# KiCad board RoRo80.kicad_pcb (continued)
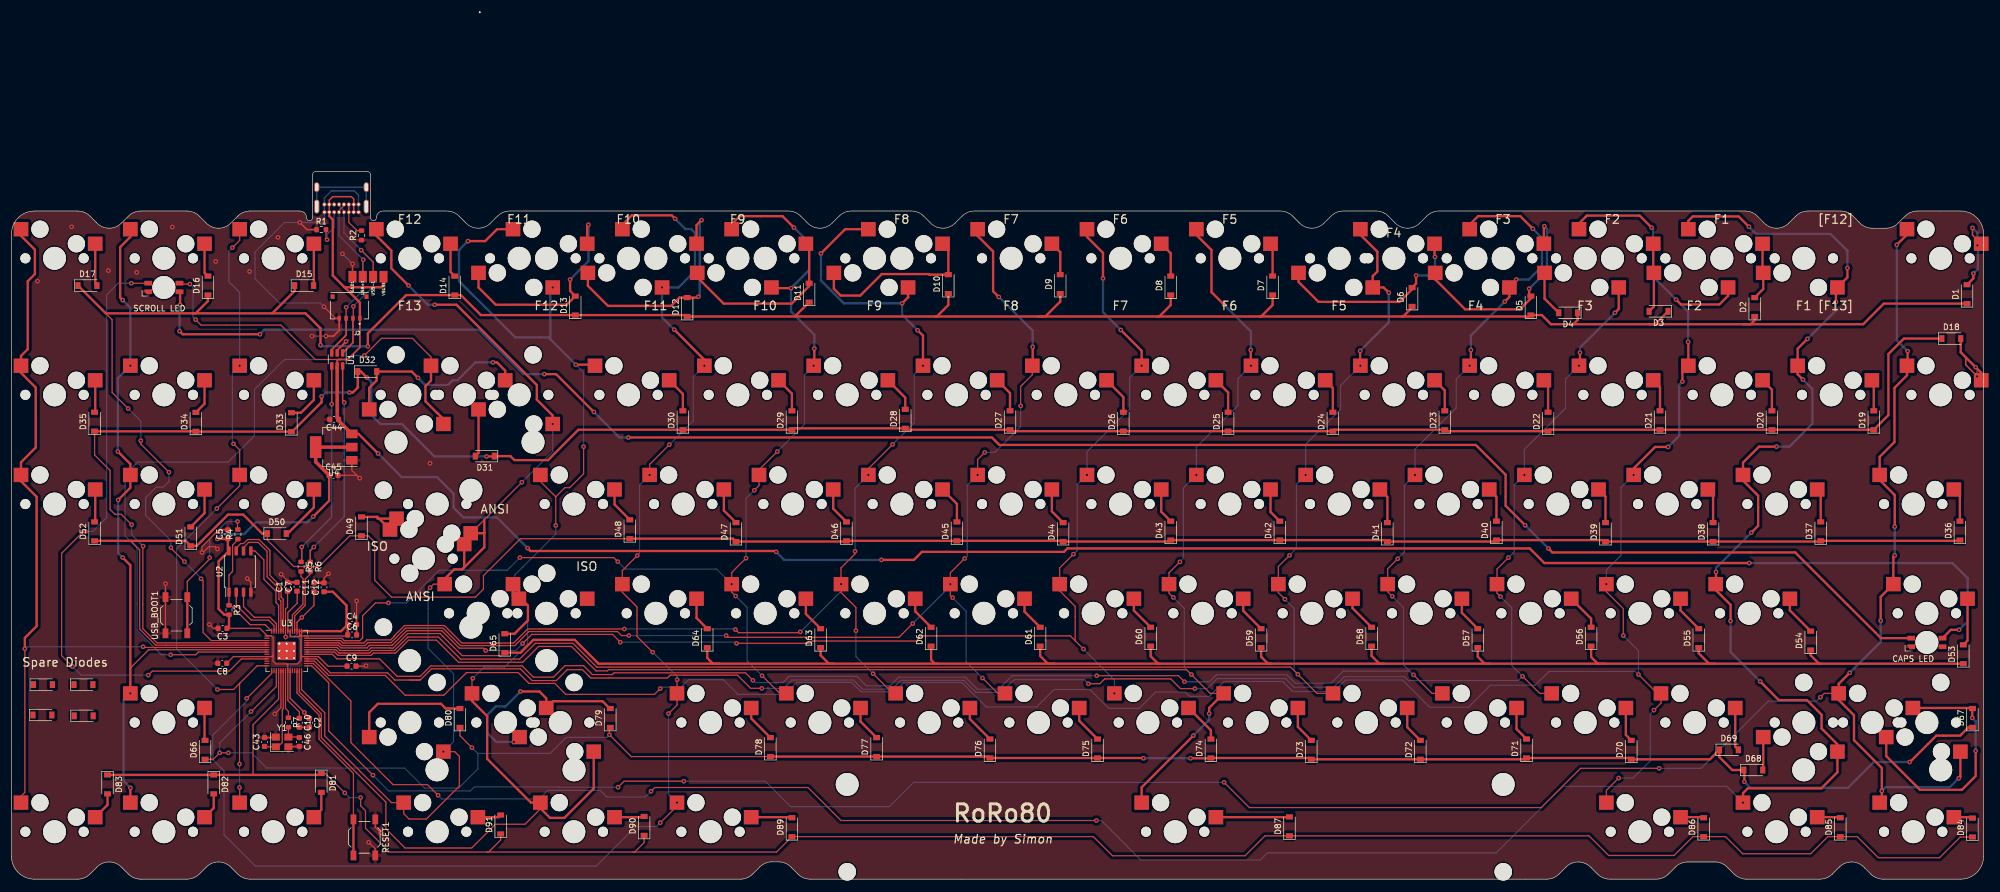
[diagram p0: board, top side]
## Nets
+1V1: C1.1 C2.1 C11.1 U3.23 U3.45 U3.50
+3V3: C3.1 C4.1 C5.1 C6.1 C7.1 C8.1 C9.1 C10.1 C12.1 C45.1 R3.2 U2.8 U3.1 U3.10 U3.22 U3.33 U3.42 U3.43 U3.44 U3.48 U3.49 U4.2
GND: C1.2 C2.2 C3.2 C4.2 C5.2 C6.2 C7.2 C8.2 C9.2 C10.2 C11.2 C12.2 C43.2 C44.2 C45.2 C46.2 J1.A1 J1.A12 J1.B1 J1.B12 J2.4 LED1.4 LED2.4 R1.1 R2.1 RESET1.1 U1.2 U2.4 U3.19 U3.57 U4.1 USB_BOOT1.1 Y1.2 Y1.4
VBUS: C44.1 J1.A4 J1.A9 J1.B4 J1.B9 J2.1 LED1.1 LED2.1 U1.5 U4.3
/QSPICLK: U2.6 U3.52
/QSPISD0: U2.5 U3.53
/QSPISD2: U2.3 U3.54
/QSPISD3: U2.7 U3.51
/QSPISS: R3.1 R4.1 U2.1 U3.56
/RESET: RESET1.2 U3.26
/SQPISD1: U2.2 U3.55
/SWCLK: U3.24
/SWD: U3.25
/USB+: J1.A6 J1.B6 J2.3 U1.3
/USB-: J1.A7 J1.B7 J2.2 U1.1
/XIN: C43.1 U3.20 Y1.1
/XOUT: R7.1 U3.21
CAPS_LED: LED2.3 U3.11
COL0: MX1.2 MX18.2 MX38.2 MX55.2 MX71.2 MX72.2 MX98.2 U3.29
COL1: MX2.2 MX2#2.2 MX19.2 MX39.2 MX58.2 MX73.2 MX99.2 U3.30
COL2: MX3.2 MX3#2.2 MX20.2 MX40.2 MX59.2 MX74.2 MX100.2 U3.31
COL3: MX4.2 MX21.2 MX41.2 MX60.2 MX75.2 U3.32
COL4: MX5.2 MX5#2.2 MX22.2 MX42.2 MX61.2 MX76.2 U3.34
COL5: MX6.2 MX6#2.2 MX23.2 MX43.2 MX62.2 MX77.2 U3.36
COL6: MX7.2 MX24.2 MX44.2 MX63.2 MX78.2 MX101.2 U3.35
COL7: MX8.2 MX25.2 MX45.2 MX64.2 MX79.2 U3.38
COL8: MX9.2 MX26.2 MX46.2 MX65.2 MX80.2 U3.39
COL9: MX10.2 MX10#2.2 MX27.2 MX47.2 MX66.2 MX81.2 U3.40
COL10: MX11.2 MX11#2.2 MX28.2 MX48.2 MX67.2 MX82.2 U3.41
COL11: MX12.2 MX12#2.2 MX29.2 MX49.2 MX68.2 MX83.2 MX102.2 U3.15
COL12: MX13.2 MX13#2.2 MX30.2 MX50.2 MX84.2 MX86.2 MX103.2 U3.27
COL13: MX14.2 MX31.2 MX51.2 MX56.1 MX69.2 MX85.2 MX104.2 U3.28
COL14: MX32.2 MX33.2 U3.8
COL15: MX15.2 MX34.2 MX52.2 MX87.2 U3.14
COL16: MX16.2 MX35.2 MX53.2 MX70.2 MX88.2 U3.7
COL17: MX17.2 MX36.2 MX54.2 MX89.2 U3.6
Data+: R5.1 U1.4
Data-: R6.1 U1.6
ROW0: D1.1 D2.1 D3.1 D4.1 D5.1 D6.1 D7.1 D8.1 D9.1 D10.1 D11.1 D12.1 D13.1 D14.1 D15.1 D16.1 D17.1 U3.3
ROW1: D18.1 D19.1 D20.1 D21.1 D22.1 D23.1 D24.1 D25.1 D26.1 D27.1 D28.1 D29.1 D30.1 D31.1 D32.1 D33.1 D34.1 D35.1 U3.4
ROW2: D36.1 D37.1 D38.1 D39.1 D40.1 D41.1 D42.1 D43.1 D44.1 D45.1 D46.1 D47.1 D48.1 D49.1 D50.1 D51.1 D52.1 U3.5
ROW3: D53.1 D54.1 D55.1 D56.1 D57.1 D58.1 D59.1 D60.1 D61.1 D62.1 D63.1 D64.1 D65.1 U3.37
ROW4: D66.1 D67.1 D68.1 D69.1 D70.1 D71.1 D72.1 D73.1 D74.1 D75.1 D76.1 D77.1 D78.1 D79.1 D80.1 U3.17
ROW5: D81.1 D82.1 D83.1 D84.1 D85.1 D86.1 D87.1 D89.1 D90.1 D91.1 U3.18
Net-(C46-Pad1): C46.1 R7.2 Y1.3
Net-(D1-A): D1.2 MX1.1
Net-(D2-A): D2.2 MX2.1 MX2#2.1
Net-(D3-A): D3.2 MX3.1 MX3#2.1
Net-(D4-A): D4.2 MX4.1
Net-(D5-A): D5.2 MX5.1 MX5#2.1
Net-(D6-A): D6.2 MX6.1 MX6#2.1
Net-(D7-A): D7.2 MX7.1
Net-(D8-A): D8.2 MX8.1
Net-(D9-A): D9.2 MX9.1
Net-(D10-A): D10.2 MX10.1 MX10#2.1
Net-(D11-A): D11.2 MX11.1 MX11#2.1
Net-(D12-A): D12.2 MX12.1 MX12#2.1
Net-(D13-A): D13.2 MX13.1 MX13#2.1
Net-(D14-A): D14.2 MX14.1
Net-(D15-A): D15.2 MX15.1
Net-(D16-A): D16.2 MX16.1
Net-(D17-A): D17.2 MX17.1
Net-(D18-A): D18.2 MX18.1
Net-(D19-A): D19.2 MX19.1
Net-(D20-A): D20.2 MX20.1
Net-(D21-A): D21.2 MX21.1
Net-(D22-A): D22.2 MX22.1
Net-(D23-A): D23.2 MX23.1
Net-(D24-A): D24.2 MX24.1
Net-(D25-A): D25.2 MX25.1
Net-(D26-A): D26.2 MX26.1
Net-(D27-A): D27.2 MX27.1
Net-(D28-A): D28.2 MX28.1
Net-(D29-A): D29.2 MX29.1
Net-(D30-A): D30.2 MX30.1
Net-(D31-A): D31.2 MX31.1
Net-(D32-A): D32.2 MX32.1 MX33.1
Net-(D33-A): D33.2 MX34.1
Net-(D34-A): D34.2 MX35.1
Net-(D35-A): D35.2 MX36.1
Net-(D36-A): D36.2 MX38.1
Net-(D37-A): D37.2 MX39.1
Net-(D38-A): D38.2 MX40.1
Net-(D39-A): D39.2 MX41.1
Net-(D40-A): D40.2 MX42.1
Net-(D41-A): D41.2 MX43.1
Net-(D42-A): D42.2 MX44.1
Net-(D43-A): D43.2 MX45.1
Net-(D44-A): D44.2 MX46.1
Net-(D45-A): D45.2 MX47.1
Net-(D46-A): D46.2 MX48.1
Net-(D47-A): D47.2 MX49.1
Net-(D48-A): D48.2 MX50.1
Net-(D49-A): D49.2 MX51.1 MX56.2
Net-(D50-A): D50.2 MX52.1
Net-(D51-A): D51.2 MX53.1
Net-(D52-A): D52.2 MX54.1
Net-(D53-A): D53.2 MX55.1
Net-(D54-A): D54.2 MX58.1
Net-(D55-A): D55.2 MX59.1
Net-(D56-A): D56.2 MX60.1
Net-(D57-A): D57.2 MX61.1
Net-(D58-A): D58.2 MX62.1
Net-(D59-A): D59.2 MX63.1
Net-(D60-A): D60.2 MX64.1
Net-(D61-A): D61.2 MX65.1
Net-(D62-A): D62.2 MX66.1
Net-(D63-A): D63.2 MX67.1
Net-(D64-A): D64.2 MX68.1
Net-(D65-A): D65.2 MX37.2 MX69.1
Net-(D66-A): D66.2 MX70.1
Net-(D67-A): D67.2 MX71.1 MX72.1
Net-(D68-A): D68.2 MX73.1
Net-(D69-A): D69.2 MX74.1
Net-(D70-A): D70.2 MX75.1
Net-(D71-A): D71.2 MX76.1
Net-(D72-A): D72.2 MX77.1
Net-(D73-A): D73.2 MX78.1
Net-(D74-A): D74.2 MX79.1
Net-(D75-A): D75.2 MX80.1
Net-(D76-A): D76.2 MX81.1
Net-(D77-A): D77.2 MX82.1
Net-(D78-A): D78.2 MX83.1
Net-(D79-A): D79.2 MX84.1 MX86.1
Net-(D80-A): D80.2 MX85.1
Net-(D81-A): D81.2 MX87.1
Net-(D82-A): D82.2 MX88.1
Net-(D83-A): D83.2 MX89.1
Net-(D84-A): D84.2 MX98.1
Net-(D85-A): D85.2 MX99.1
Net-(D86-A): D86.2 MX100.1
Net-(D87-A): D87.2 MX101.1
Net-(D89-A): D89.2 MX102.1
Net-(D90-A): D90.2 MX103.1
Net-(D91-A): D91.2 MX104.1
Net-(J1-CC1): J1.A5 R1.2
Net-(J1-CC2): J1.A8 J1.B5 R2.2
Net-(J2-SHIELD-PadS1): J2.S1 J2.S2
Net-(LED1-DIN): LED1.3 LED2.2
Net-(U3-USB_DM): R6.2 U3.46
Net-(U3-USB_DP): R5.2 U3.47
Net-(USB_BOOT1-B): R4.2 USB_BOOT1.2

Pads without a net: D88 1 2; D92 1 2; D93 1 2; D94 1 2; GND1 1; J1 B8 S1; LED1 2; MX37 1; U3 2 9 12 13 16; USB+1 1; USB-1 1; VBUS1 1

## Via types
v1: diameter 0.8, hole 0.4, Top to Bottom, 279 vias

## Routing (per net, layer and track width the routed paths; a pad name or vN(x,y) marks a point on that pad's centre or on a via; arc(x,y) is an arc through that point)
+1V1: length 47.8
  Top w0.2: v1(47.78,42.23) 47.74,42.27 U3.50 47.74,47.1 48.1,47.45 C1.1 ; U3.23 48.54,31.57 v1(51.03,29.08) 51.9,28.22 C2.1 ; U3.45 49.74,44.8 v1(50.58,45.63) 52.7,47.75 C11.1
  Bottom w0.2: 49.18,42.23 49.28,42.23 49.78,42.73 49.78,44.83 v1(50.58,45.63) ; 49.18,42.23 49.88,42.23 50.38,41.73 50.38,38.03 49.88,37.53 48.98,37.53 48.58,37.13 48.58,31.53 v1(51.03,29.08) ; 49.18,42.23 v1(47.78,42.23)
+3V3: length 149.1
  Top w0.2: 50.48,39.03 50.48,42.39 50.46,42.41 ; 50.48,39.03 50.48,38.23 49.78,37.53 47.98,37.53 ; 50.48,39.03 50.7,38.81 U3.33 53.5,38.81 55.16,37.15 C9.1 ; C6.1 58.39,42.41 U3.42 50.46,42.41 ; 45.58,39.13 45.58,42.13 45.3,42.41 U3.1 44.51,42.51 43.26,43.75 C3.1 ; 45.58,39.13 45.58,38.03 46.08,37.53 47.98,37.53 ; 45.58,39.13 45.58,38.93 45.46,38.81 U3.10 38.66,38.81 C8.1 ; 50.08,42.33 50.16,42.41 50.46,42.41 ; 50.08,42.33 50.54,42.8 U3.43 U3.44 50.18,43.21 50.18,42.43 50.08,42.33 ; 50.08,42.33 48.68,42.33 48.54,42.47 U3.48 U3.49 48.14,46.5 49.78,48.13 49.78,50.2 C7.1 ; 47.98,37.53 48.18,37.33 48.14,37.3 U3.22 48.14,31.17 50.15,29.17 C10.1
  Top w0.4: v1(52.58,63.23) 55.35,66 C45.1 ; C4.1 C6.1 ; C4.1 58.38,44.6 58.38,47.73 55.99,50.13 C12.1 ; C4.1 57.42,43.25 U3.43 ; v1(35.88,59.33) 37.66,59.33 C5.1 37.7,57.45 U2.8 36.08,55.44 36.08,47.13 37.09,46.13 R3.2 37.9,44.1 C3.1
  Top w0.6: U4.2 U4.2 53,72.79 C45.1
  Bottom w0.4: v1(52.58,63.23) 51.58,62.23 42.58,62.23 40.53,60.18 36.73,60.18 v1(35.88,59.33)
GND: length 133.4
  Top w0.2: v1(62.23,6.43) 63.38,5.28 RESET1.1 ; C10.2 C2.2 ; v1(54.43,99.83) 56.44,97.82 J2.4 ; v1(64.33,8.08) 63.38,9.03 RESET1.1 ; C1.2 48.1,52.07 v1(46.98,53.18) ; C45.2 60.17,70.44 v1(60.68,69.93) 59.3,71.32 U4.1 ; v1(34.48,44.43) 35.16,43.75 C3.2 ; v1(45.88,28.83) 46.94,29.9 U3.19 ; C5.2 36.13,60.93 33.18,57.98 v1(33.18,56.98) 33.38,56.98 34.38,57.98 35.48,57.98 v1(35.88,57.58) ; USB_BOOT1.1 USB_BOOT1.1 v1(26.83,51.53) ; C12.2 54.45,52.5 v1(55.23,53.28) ; U2.4 41.71,51.81 v1(41.08,52.43) ; C6.2 C4.2 60.13,48.53 v1(60.13,48.53) ; C43.2 45.97,24.7 Y1.4 ; v1(61.78,37.23) 61.7,37.15 C9.2 ; Y1.2 50.08,23.08 C46.2
  Top w0.25: v1(50.23,114.53) 51.48,113.28 R1.1 ; 59.41,107.33 v1(59.41,107.31) 59.41,105.07
  Top w0.3: v1(54.79,94.71) 56.1,94.71 57.1,95.71 J2.4 ; U1.2 56.75,92.23 57.46,92.94 57.46,92.96 v1(58.28,93.78)
  Top w0.4: C11.2 C12.2 ; C7.2 C1.2
  Bottom w0.2: v1(54.43,99.83) 53.78,100.48 46.68,100.48 42.43,104.73 42.43,109.38 47.58,114.53 v1(50.23,114.53)
  Bottom w0.25: v1(57.67,109.06) 57.67,109.05 v1(59.41,107.31) ; v1(50.23,114.53) 54.51,114.53 54.53,114.55 J1.A1 J1.B12 54.53,118.83 55.73,120.03 59.73,120.03 60.48,119.29 J1.B1 J1.A12
  Bottom w0.3: v1(52.35,94.71) v1(54.79,94.71)
  vias: v1(4.53,104.28) v1(10.48,113.78) v1(16.88,106.13) v1(21.83,105.83) v1(28.03,113.73) v1(35.58,107.73) v1(41.48,105.98) v1(46.43,111.93) v1(72.93,72.53)
VBUS: length 406.7
  Top w0.2: v1(32.08,97.58) 33.03,96.63 46.93,96.63 52.93,90.63 57.38,90.63 ; v1(31.08,103.78) 29.44,103.78 LED2.1
  Top w0.25: J1.A9 J1.B4 59.63,118.64 59.23,119.03 55.98,119.03 55.38,118.43 J1.B9 J1.A4
  Top w0.3: U1.5 56.75,90.4 56.98,90.63 58.58,90.63 60.7,92.75 60.7,97.73
  Top w0.4: v1(133.23,57.08) 133.08,57.23 90.43,57.23 v1(89.93,57.73) ; U4.3 60.46,77.65 v1(63.88,74.23) ; v1(339.33,43.48) 337.9,43.48 LED1.1 ; v1(151.58,55.68) 157.23,55.68 158.63,57.08 183.38,57.08 183.98,57.68 264.53,57.68 267.08,55.13 v1(302.78,55.13) ; 58.03,103.24 55.98,105.28 55.98,115.03 55.38,115.64 J1.A4 ; 58.03,103.24 64.38,103.24 64.81,103.67 64.81,105.07 ; 58.03,103.24 60.7,100.56 J2.1
  Top w0.6: U4.3 57,79.96 C44.1 56.75,80.44 U1.5
  Bottom w0.2: v1(31.08,103.78) 31.63,103.23 31.63,98.03 v1(32.08,97.58)
  Bottom w0.4: v1(89.93,57.73) 84.58,63.08 78.73,63.08 77.03,64.78 77.03,67.23 74.13,70.13 67.98,70.13 v1(63.88,74.23) ; v1(339.33,43.48) 340.83,44.98 340.83,52.48 338.18,55.13 v1(302.78,55.13) ; v1(133.23,57.08) 134.63,55.68 v1(151.58,55.68)
/QSPICLK: length 20.6
  Top w0.2: U3.52 46.94,48.52 46.58,48.88 46.58,50.68 44.53,52.73 44.53,57.18 42.98,58.73 41.33,58.73 40.44,57.84 U2.6
/QSPISD0: length 16.4
  Top w0.2: U2.5 42.41,57.25 43.98,55.68 43.98,52.28 46.08,50.18 46.08,48.23 46.54,47.77 U3.53
/QSPISD2: length 10.8
  Top w0.2: U3.54 46.14,44.57 45.03,45.68 42.28,45.68 40.44,47.53 U2.3
/QSPISD3: length 22.8
  Top w0.2: U3.51 47.34,48.82 46.98,49.18 46.98,51.03 45.03,52.98 45.03,57.33 43.13,59.23 41.13,59.23 40.43,58.53 39.93,58.53 39.17,57.77 U2.7
/QSPISS: length 21.5
  Top w0.2: R4.1 39.45,59.2 38.53,58.28 38.53,53.68 37.9,53.05 U2.1 37.9,47.78 R3.1 38.19,47.78 41.58,44.38 44.21,44.38 U3.56
/RESET: length 36.3
  Top w0.2: RESET1.2 59.58,18.43 53.58,24.43 53.58,28.63 49.74,32.47 U3.26
  Top w0.4: RESET1.2 RESET1.2
/SQPISD1: length 11.3
  Top w0.2: U3.55 45.74,44.22 44.78,45.18 41.78,45.18 39.17,47.8 U2.2
/USB+: length 33.3
  Top w0.2: v1(61.29,108.03) 61.21,107.95 61.21,105.07 ; v1(58.31,99.74) 58.3,99.73 J2.3 58.31,97.81 ; J1.B6 57.93,117.48 57.08,116.63 J1.A6
  Top w0.3: J2.3 58.3,94.86 58.12,94.68 58.12,94.68 55.8,92.36 U1.3
  Bottom w0.2: v1(58.31,99.74) 61.26,102.69 61.26,108 v1(61.29,108.03) 57.08,112.25 J1.A6
/USB-: length 36.1
  Top w0.2: v1(59.57,99.9) 59.55,99.88 59.55,97.87 59.56,97.86 ; 63.01,105.07 63.01,107.62 v1(60.92,109.71)
  Top w0.3: 59.56,97.86 59.5,97.81 59.5,93.59 U1.1
  Bottom w0.2: v1(59.57,99.9) 63.07,103.4 63.07,107.56 v1(60.92,109.71) 57.93,112.71 J1.A7 57.93,116.59 57.08,117.44 J1.B7
/XIN: length 16
  Top w0.2: C43.1 44.17,23.08 Y1.1 46.43,23.08 47.18,23.83 47.18,29.53 47.34,29.7 U3.20
/XOUT: length 8.4
  Top w0.2: U3.21 47.74,29.77 48.25,29.27 R7.1
CAPS_LED: length 113.6
  Top w0.2: v1(20.88,103.93) 23.81,103.93 LED2.3 ; U3.11 40.06,38.41 37.93,36.28 24.53,36.28 v1(23.83,35.58) ; v1(10.63,37.08) 8.73,38.98 8.73,56.83 12.53,60.63 v1(12.88,60.63)
  Bottom w0.2: v1(20.88,103.93) 18.58,103.93 16.58,101.93 16.58,63.08 14.13,60.63 v1(12.88,60.63) ; v1(23.83,35.58) 12.13,35.58 v1(10.63,37.08)
COL0: length 426.4
  Top w0.2: v1(287.08,19.33) 273.38,19.33 266.53,12.48 215.68,12.48 v1(211.28,16.88) ; v1(117.13,17.08) 106.73,17.08 v1(105.68,16.03) ; MX72.2 315.85,32.4 v1(315.18,31.73) ; v1(62.98,18.13) 55.28,25.83 55.28,34.23 52.3,37.21 U3.29
  Top w0.4: v1(328.48,110.63) 330.27,112.42 MX1.2 ; v1(328.13,56.48) 327.89,56.24 MX55.2 325.68,49.24 v1(325.68,45.08) ; v1(339.28,17.58) 339.57,17.88 MX71.2 ; MX98.2 325.88,13.72 v1(325.88,15.38) 325.88,19.38 321.03,24.23 321.03,28.58 318.36,31.25 MX72.2 318.36,34.07 v1(320.28,35.98) ; v1(330.38,92.08) 330.38,89.66 MX18.2 330.27,87.87 328.08,85.68 328.08,76.23 325.51,73.66 MX38.2 325.51,69.61 328.13,66.98 v1(328.13,61.48)
  Bottom w0.2: v1(62.98,18.13) 65.73,15.38 79.93,15.38 80.63,16.08 95.38,16.08 95.43,16.03 v1(105.68,16.03) ; v1(315.18,31.73) 314.48,31.03 306.08,31.03 294.38,19.33 v1(287.08,19.33) ; v1(211.28,16.88) 157.18,16.88 152.93,12.63 135.78,12.63 131.33,17.08 v1(117.13,17.08)
  Bottom w0.4: v1(325.88,15.38) 326.53,16.03 337.73,16.03 v1(339.28,17.58) ; v1(328.48,110.63) 328.48,93.98 v1(330.38,92.08) ; v1(320.28,35.98) 325.68,41.38 v1(325.68,45.08) ; v1(328.13,61.48) v1(328.13,56.48)
COL1: length 449
  Top w0.2: U3.30 52.6,37.61 59.13,31.08 59.13,23.83 66.48,16.48 72.48,16.48 v1(74.33,14.63) ; v1(111.43,15.33) 112.08,15.98 138.78,15.98 144.53,10.23 v1(189.03,10.23)
  Top w0.4: MX2#2.2 292.17,114.82 292.93,115.58 300.93,115.58 v1(302.73,113.78) ; v1(304.68,34.48) 307.93,31.23 312.83,31.23 315.38,28.68 315.38,26.28 318.14,23.52 MX73.2 318.14,18.64 315.33,15.83 302.53,15.83 301.7,15 v1(301.7,13.35) ; v1(303.13,60.43) 304.33,61.63 304.33,66.88 301.7,69.52 MX39.2 301.7,72.65 304.48,75.43 v1(307.53,75.43) ; v1(319.88,106.58) 319.88,104.94 MX2.2 317.88,102.94 v1(317.88,100.68) ; v1(296.98,53.58) 296.98,51.5 MX58.2 296.93,50.43 299.53,47.83 v1(299.53,45.03) ; v1(312.13,87.13) 311.22,88.05 MX19.2 311.22,92.52 v1(312.93,94.23)
  Bottom w0.2: v1(74.33,14.63) 74.98,13.98 91.93,13.98 93.43,15.48 102.58,15.48 103.73,14.33 110.43,14.33 v1(111.43,15.33) ; v1(189.03,10.23) 189.88,10.23 196.78,3.33 217.58,3.33 218.83,4.58 258.68,4.58 270.28,16.18 298.86,16.18 v1(301.7,13.35)
  Bottom w0.4: v1(319.88,106.58) 319.88,109.58 316.93,112.53 303.98,112.53 v1(302.73,113.78) ; v1(317.88,100.68) 317.88,99.18 v1(312.93,94.23) ; v1(296.98,53.58) 296.98,54.28 v1(303.13,60.43) ; v1(299.53,45.03) 299.53,39.63 v1(304.68,34.48) ; v1(312.13,87.13) 313.78,85.48 313.78,79.43 309.78,75.43 v1(307.53,75.43)
COL2: length 401.9
  Top w0.2: v1(277.88,51.45) 277.88,50.13 280.83,47.18 v1(280.83,42.48) ; v1(280.03,17.63) 277.88,15.48 MX100.2 ; U3.31 52.8,38.01 55.28,35.53 65.13,35.53 68.58,32.08 75.33,32.08 79.28,36.03 88.28,36.03 90.18,34.13 94.68,34.13 96.58,32.23 112.03,32.23 v1(113.03,33.23) ; v1(283.48,35.68) 286.77,32.4 MX74.2 287.41,30.71 v1(286.18,29.48)
  Top w0.4: v1(290.03,101.08) 290.88,100.23 297.58,100.23 299.09,101.74 MX3.2 ; v1(292.13,93.68) 292.17,93.65 MX20.2 291.13,88.51 v1(291.13,86.78) ; MX3#2.2 273.12,114.37 274.48,115.73 283.68,115.73 v1(285.78,113.63) ; v1(282.65,70.5) 282.65,71.65 286.38,75.38 v1(288.63,75.38)
  Bottom w0.2: v1(286.18,29.48) 285.53,28.83 285.53,20.63 282.53,17.63 v1(280.03,17.63) ; v1(113.03,33.23) 113.28,33.48 116.68,33.48 117.98,34.78 124.03,34.78 126.58,32.23 134.73,32.23 136.83,34.33 146.38,34.33 148.03,32.68 153.88,32.68 155.48,34.28 165.58,34.28 169.83,30.03 178.58,30.03 181.63,33.08 187.88,33.08 191.18,29.78 196.48,29.78 199.33,32.63 204.53,32.63 205.28,31.88 208.68,31.88 211.28,34.48 221.48,34.48 223.23,32.73 230.43,32.73 232.43,34.73 242.38,34.73 247.13,29.98 253.83,29.98 257.68,33.83 265.48,33.83 267.88,36.23 282.93,36.23 v1(283.48,35.68) 283.48,39.83 v1(280.83,42.48) ; v1(282.65,70.5) 280.43,68.29 280.43,56.48 277.88,53.93 v1(277.88,51.45)
  Bottom w0.4: v1(285.78,113.63) 286.03,113.38 286.03,105.08 v1(290.03,101.08) 292.13,98.98 v1(292.13,93.68) ; v1(291.13,86.78) 290.58,86.23 290.58,77.33 v1(288.63,75.38)
COL3: length 312.4
  Top w0.2: 94.18,34.63 94.93,34.63 96.83,36.53 99.48,36.53 100.93,35.08 114.28,35.08 114.78,35.58 126.48,35.58 128.78,33.28 v1(130.73,33.28) ; 94.18,34.63 90.73,34.63 88.68,36.68 73.18,36.68 71.23,34.73 69.38,34.73 ; 94.18,34.63 94.63,34.63 94.68,34.68 ; 69.38,34.73 71.03,34.73 71.13,34.83 ; 69.38,34.73 66.78,34.73 65.53,35.98 55.53,35.98 53.1,38.41 U3.32 ; v1(260.83,56.08) 258.83,54.08 MX60.2 258.83,49.88 v1(259.43,49.28) ; v1(263.28,35.38) 266.27,32.4 MX75.2 ; v1(206.18,33.23) 203.68,33.23 201.98,34.93 190.48,34.93 189.63,34.08 v1(187.63,34.08)
  Top w0.4: v1(279.38,98.78) 280.04,99.44 MX4.2 ; v1(273.28,91.83) 273.28,89.71 v1(273.12,89.55)
  Bottom w0.2: v1(259.43,49.28) 261.38,47.33 261.38,37.28 v1(263.28,35.38) 262.53,34.63 243.38,34.63 242.73,35.28 232.18,35.28 230.38,33.48 223.48,33.48 221.98,34.98 210.08,34.98 208.33,33.23 v1(206.18,33.23) ; v1(130.73,33.28) 134.53,33.28 135.98,34.73 146.68,34.73 148.28,33.13 153.43,33.13 154.98,34.68 165.93,34.68 168.03,32.58 172.48,32.58 174.73,34.83 174.78,34.78 186.93,34.78 v1(187.63,34.08) ; v1(273.12,89.55) 270.78,87.21 270.78,82.13 263.6,74.95 v1(263.6,70.5) 261.83,68.74 261.83,57.08 v1(260.83,56.08)
  Bottom w0.4: v1(273.28,91.83) 273.28,92.68 v1(279.38,98.78)
COL4: length 317.1
  Top w0.2: v1(129.18,34.68) 127.88,35.98 104.98,35.98 104.68,35.68 101.23,35.68 99.68,37.23 96.43,37.23 94.43,35.23 90.93,35.23 88.98,37.18 73.03,37.18 71.23,35.38 67.18,35.38 64.13,38.43 56.68,38.43 55.9,39.21 U3.34 ; MX76.2 247.52,32.4 v1(244.28,35.63) ; v1(241.53,55.88) 239.78,54.13 MX61.2 239.78,50.13 v1(240.58,49.33) ; v1(189.08,35.48) 203.33,35.48 v1(204.38,34.43)
  Top w0.4: v1(262.18,104.58) 262.18,104.39 MX5#2.2 260.99,101.54 v1(260.18,100.73) ; v1(254.07,89.55) 254.28,89.76 v1(254.28,92.28) ; v1(265.08,113.43) 262.88,115.63 255.53,115.63 254.07,114.17 MX5.2
  Bottom w0.2: v1(241.53,55.88) 242.68,57.03 242.68,68.64 v1(244.55,70.5) 244.55,75 251.73,82.18 251.73,87.21 v1(254.07,89.55) ; v1(189.08,35.48) 174.33,35.48 171.98,33.13 168.28,33.13 166.18,35.23 154.58,35.23 153.08,33.73 148.93,33.73 147.28,35.38 135.48,35.38 134.38,34.28 129.58,34.28 v1(129.18,34.68) ; v1(204.38,34.43) 208.73,34.43 209.93,35.63 222.23,35.63 223.68,34.18 229.93,34.18 232.03,36.28 243.63,36.28 v1(244.28,35.63) 242.53,37.38 242.53,47.38 v1(240.58,49.33)
  Bottom w0.4: v1(260.18,100.73) 254.28,94.83 v1(254.28,92.28) ; v1(262.18,104.58) 264.38,104.58 266.68,106.88 266.68,111.83 v1(265.08,113.43)
COL5: length 277.5
  Top w0.2: v1(222.68,56.48) 220.73,54.53 MX62.2 220.73,49.98 v1(221.88,48.83) ; MX77.2 227.47,32.4 v1(224.13,35.73) 222.88,36.98 101.98,36.98 97.83,41.13 91.28,41.13 88.53,38.38 78.23,38.38 74.38,42.23 69.08,42.23 66.73,39.88 62.83,39.88 62.38,39.43 57.08,39.43 56.5,40.01 U3.36
  Top w0.4: v1(234.98,92.13) 234.98,89.59 v1(235.02,89.55) ; MX6.2 235.02,112.4 237.98,109.43 237.98,105.98 237.18,105.18 MX6#2.2 239.06,103.2 v1(239.98,102.28)
  Bottom w0.2: v1(224.13,35.73) 223.48,36.38 223.48,47.23 v1(221.88,48.83) ; v1(222.68,56.48) 223.88,57.68 223.88,68.89 v1(225.5,70.5) 225.5,75.85 231.58,81.93 231.58,86.11 v1(235.02,89.55)
  Bottom w0.4: v1(239.98,102.28) 239.98,97.13 v1(234.98,92.13)
COL6: length 281.6
  Top w0.2: MX78.2 208.87,32.4 v1(205.58,35.68) 204.73,36.53 151.73,36.53 104.03,36.53 103.83,36.33 101.83,36.33 97.58,40.58 91.83,40.58 89.08,37.83 77.88,37.83 74.03,41.68 69.18,41.68 66.93,39.43 63.08,39.43 62.68,39.03 56.88,39.03 56.3,39.61 U3.35 ; v1(202.43,49.13) 201.68,49.88 MX63.2 201.68,53.43 v1(203.58,55.33)
  Top w0.4: MX7.2 206.45,112.37 209.08,109.73 209.08,102.38 v1(211.28,100.18) ; v1(215.93,92.28) 215.93,89.59 v1(215.97,89.55) ; v1(208.68,28.88) 208.68,29.87 MX78.2 ; v1(205.93,25.03) 196.92,16.02 MX101.2
  Bottom w0.2: v1(203.58,55.33) 204.18,55.93 204.18,68.24 v1(206.45,70.5) 206.45,75.35 213.68,82.58 213.68,87.26 v1(215.97,89.55) ; v1(205.58,35.68) 204.33,36.93 204.33,47.23 v1(202.43,49.13)
  Bottom w0.4: v1(205.93,25.03) 208.68,27.78 v1(208.68,28.88) ; v1(215.93,92.28) 215.93,95.53 v1(211.28,100.18)
COL7: length 234.3
  Top w0.2: 185.33,41.58 185.33,47.58 182.63,50.28 MX64.2 182.63,54.28 v1(185.03,56.68) ; 185.33,41.58 184.48,42.43 158.53,42.43 157.63,41.53 139.48,41.53 139.08,41.13 v1(126.33,41.13) ; 185.33,41.58 v1(186.78,40.13) ; v1(89.06,41.1) 90.64,42.68 104.73,42.68 v1(106.08,41.33) ; v1(82.63,39.88) 82.23,40.28 78.03,40.28 74.98,43.33 68.88,43.33 66.33,40.78 62.38,40.78 61.93,40.33 57.42,40.33 56.94,40.81 U3.38
  Top w0.4: MX8.2 187.4,112.02 190.18,109.23 v1(190.18,104.78) ; v1(193.28,95.78) 196.92,92.15 v1(196.92,89.55)
  Bottom w0.2: v1(126.33,41.13) 126.13,41.33 v1(106.08,41.33) ; v1(185.03,56.68) 185.68,57.33 185.68,68.79 v1(187.4,70.5) 187.4,74.55 194.83,81.98 194.83,87.46 v1(196.92,89.55) ; v1(89.06,41.1) 87.84,39.88 v1(82.63,39.88) ; v1(192.16,32.4) 192.16,34.76 v1(186.78,40.13)
  Bottom w0.4: v1(193.28,95.78) 190.18,98.88 v1(190.18,104.78)
COL8: length 217
  Top w0.2: v1(169.58,74.43) 168.35,73.2 v1(168.35,70.5) ; v1(107.58,42.48) 106.28,42.48 105.58,43.18 90.13,43.18 87.68,40.73 78.23,40.73 75.18,43.78 68.68,43.78 66.16,41.26 62.11,41.26 61.58,40.73 57.58,40.73 57.1,41.21 U3.39 ; v1(124.53,42.48) 124.83,42.18 154.63,42.18 v1(157.03,44.58) ; v1(166.08,55.93) 163.58,53.43 v1(163.58,51.45) 163.58,49.48 v1(163.98,49.08) ; v1(169.18,35.08) 171.87,32.4 MX80.2 ; v1(175.83,82.53) 175.83,85.93 177.87,87.97 MX26.2
  Top w0.4: MX26.2 177.93,89.61 v1(177.93,92.83) ; v1(172.03,101.53) 171.03,102.53 171.03,109.48 168.35,112.17 MX9.2
  Bottom w0.2: v1(163.98,49.08) 166.33,46.73 166.33,37.93 v1(169.18,35.08) ; v1(157.03,44.58) 163.58,51.13 v1(163.58,51.45) ; v1(107.58,42.48) v1(124.53,42.48) ; v1(175.83,82.53) 175.83,78.93 171.33,74.43 v1(169.58,74.43) ; v1(168.35,70.5) 166.53,68.69 166.53,56.38 v1(166.08,55.93)
  Bottom w0.4: v1(172.03,101.53) 177.93,95.63 v1(177.93,92.83)
COL9: length 215.3
  Top w0.2: v1(153.53,75.83) 149.3,71.6 v1(149.3,70.5) ; U3.40 57.35,41.61 57.78,41.18 61.38,41.18 61.93,41.73 66.07,41.73 66.68,42.35 66.68,42.38 66.66,42.41 68.48,44.23 75.43,44.23 78.48,41.18 87.48,41.18 89.93,43.63 v1(106.78,43.63) ; v1(147.13,43.33) 147.13,47.38 144.53,49.98 v1(144.53,51.45) 144.53,54.28 146.98,56.73 v1(146.98,57.18) ; v1(150.13,35.83) 153.57,32.4 MX81.2 ; v1(137.43,43.13) 137.48,43.13 137.63,42.98 126.68,42.98 v1(126.13,43.53)
  Top w0.4: v1(141.03,109.13) 145.26,113.36 MX10.2 ; v1(155.18,100.43) 156.23,101.48 156.23,101.53 156.22,101.55 MX10#2.2 ; v1(158.82,89.55) 158.82,94.8 v1(157.88,95.73)
  Bottom w0.2: v1(126.13,43.53) 126.03,43.63 v1(106.78,43.63) ; v1(146.98,57.18) 146.98,68.19 v1(149.3,70.5) ; v1(137.43,43.13) 137.48,43.13 144.53,50.18 v1(144.53,51.45) ; v1(153.53,75.83) 157.28,79.58 157.28,88.01 v1(158.82,89.55) ; v1(147.13,43.33) 147.13,38.83 v1(150.13,35.83)
  Bottom w0.4: v1(141.03,109.13) 141.03,104.43 145.03,100.43 v1(155.18,100.43) 155.18,98.43 v1(157.88,95.73)
COL10: length 197
  Top w0.2: v1(127.98,55.98) 125.48,53.48 v1(125.48,51.45) 125.48,50.08 v1(126.18,49.38) ; v1(65.68,48.18) 63.43,48.18 61.18,45.93 61.18,42.08 60.68,41.58 57.98,41.58 57.55,42.01 U3.41 ; v1(130.78,35.48) 133.87,32.4 MX82.2 ; v1(105.63,55.38) 104.93,56.08 v1(88.58,56.08) ; v1(129.43,67.83) 130.25,68.65 MX48.2 130.25,71.4 v1(133.43,74.58)
  Top w0.4: v1(136.33,113.63) 134.33,115.63 126.88,115.63 125.48,114.23 MX11.2 ; v1(139.88,92.53) 139.88,89.66 v1(139.77,89.55) ; MX11#2.2 132.52,103.08 v1(135.83,103.08)
  Bottom w0.2: v1(129.43,67.83) 127.98,66.38 v1(127.98,55.98) ; v1(130.78,35.48) 128.18,38.08 128.18,47.38 v1(126.18,49.38) ; v1(105.63,55.38) 106.93,54.08 122.85,54.08 v1(125.48,51.45) ; v1(88.58,56.08) 86.38,53.88 74.53,53.88 68.83,48.18 v1(65.68,48.18) ; v1(139.77,89.55) 138.18,87.96 138.18,79.33 v1(133.43,74.58)
  Bottom w0.4: v1(136.33,113.63) 138.98,110.98 138.98,106.23 v1(135.83,103.08) 135.83,98.98 139.88,94.93 v1(139.88,92.53)
COL11: length 252.8
  Top w0.2: U3.15 45.34,35.9 v1(40.98,31.53) ; v1(113.03,9.83) 115.96,12.76 v1(115.96,13.35) ; v1(111.73,39.58) 108.98,42.33 108.98,47.48 106.43,50.03 MX68.2 106.43,53.83 v1(109.03,56.43) ; v1(114.63,75.78) 111.2,72.35 v1(111.2,70.5) ; v1(114.48,28.88) 115.96,30.36 MX83.2 115.96,34.76 v1(115.98,34.78)
  Top w0.4: MX12.2 106.43,114.13 108.08,115.78 115.03,115.78 v1(115.63,115.18) ; v1(115.48,95.83) 120.72,90.6 v1(120.72,89.55)
  Bottom w0.2: v1(115.96,13.35) 114.48,14.83 v1(114.48,28.88) ; v1(111.73,39.58) 115.98,35.33 v1(115.98,34.78) ; v1(40.98,31.53) 40.98,31.03 35.08,25.13 35.08,20.83 37.03,18.88 37.03,7.73 42.48,2.28 101.88,2.28 108.78,9.18 112.38,9.18 v1(113.03,9.83) ; v1(109.03,56.43) 109.43,56.83 109.43,68.74 v1(111.2,70.5) ; v1(120.72,89.55) 118.78,87.61 118.78,79.93 v1(114.63,75.78)
  Bottom w0.4: v1(115.63,115.18) 117.43,113.38 118.43,113.38 119.08,112.73 119.08,106.08 116.2,103.2 v1(113.36,103.2) 113.36,97.96 v1(115.48,95.83)
COL12: length 241.2
  Top w0.2: 94.83,66.68 v1(94.83,61.68) ; 94.83,66.68 92.15,69.37 MX50.2 ; 94.83,66.68 96.43,68.28 97.28,68.28 99.68,70.68 v1(99.68,75.43) ; MX86.2 80.24,34.89 v1(80.38,35.03) ; U3.27 50.14,32.67 53.98,28.83 53.98,24.68 65.23,13.43 65.23,8.78 68.58,5.43 80.18,5.43 84.33,9.58 89.48,9.58 92.15,12.25 MX103.2
  Top w0.4: MX30.2 101.49,89.73 v1(98.33,89.73) ; MX84.2 101.45,15.8 96.33,10.68 93.83,10.68 92.15,12.37 MX103.2 90.52,13.35 82.88,20.98 82.88,28.43 80.24,31.08 MX86.2 ; v1(79.53,111.28) 82.53,111.28 84.61,113.36 MX13.2
  Bottom w0.2: v1(80.38,35.03) 82.33,36.98 85.93,36.98 89.93,40.98 89.93,47.73 87.68,49.98 87.68,53.03 94.83,60.18 v1(94.83,61.68) ; v1(99.68,75.43) 99.68,88.38 v1(98.33,89.73)
  Bottom w0.4: 93.88,94.18 93.88,102.78 v1(94.31,103.2) ; 93.88,94.18 93.58,94.48 87.78,94.48 77.98,104.28 77.98,109.73 v1(79.53,111.28) ; 93.88,94.18 v1(98.33,89.73)
COL13: length 187.3
  Top w0.2: U3.28 50.54,33.07 54.58,29.03 54.58,24.98 66.22,13.35 MX104.2 68.33,11.43 69.28,10.48 72.28,10.48 78.03,16.23 78.03,21.43 77.23,22.24 v1(75.25,22.24) ; v1(72.93,50.83) 73.55,51.45 MX69.2 ; MX51.2 80.04,60.34 v1(88.93,69.23)
  Top w0.4: v1(73.73,100.18) 77.53,100.18 91.53,86.18 91.53,83.63 94.31,80.86 v1(94.31,79.39) ; 82.38,60.44 82.38,57.89 78.53,54.03 ; 82.38,60.44 82.38,62.69 ; 82.38,60.44 82.28,60.34 MX51.2 80.02,59.57 MX56.1 78.88,54.38 78.53,54.03 ; 78.53,54.03 77.13,54.03 75.48,52.38 MX69.2 ; MX14.2 63.57,112.25 66.18,109.63 66.18,106.53 v1(69.18,103.53)
  Bottom w0.2: v1(94.31,79.39) 94.31,74.61 v1(88.93,69.23) ; v1(75.25,22.24) 77.03,24.02 77.03,35.83 72.58,40.28 72.58,50.48 v1(72.93,50.83)
  Bottom w0.4: v1(73.73,100.18) 72.53,100.18 v1(69.18,103.53)
COL14: length 135.2
  Top w0.2: U3.8 32.56,39.61 32.08,39.13 v1(27.73,39.13) ; MX33.2 73.1,91.07 69.83,94.33 64.48,94.33 v1(61.48,91.33)
  Top w0.4: MX33.2 73.1,86.95 72.13,85.98 72.13,83.33 74.18,81.28 74.23,81.28 75.26,80.26 MX32.2
  Bottom w0.2: v1(27.73,39.13) 26.13,39.13 21.88,43.38 21.88,57.78 19.78,59.88 19.78,70.53 21.98,72.73 37.73,72.73 42.33,77.33 42.33,85.38 47.58,90.63 59.08,90.63 59.78,91.33 v1(61.48,91.33)
COL15: length 121.7
  Top w0.2: v1(38.68,75.93) 39.76,74.86 MX52.2 39.76,68.61 v1(35.78,64.63) ; MX87.2 39.76,15.96 v1(39.73,15.98) ; v1(38.48,110.13) 39.76,111.41 MX15.2 ; v1(35.88,33.08) 38.68,33.08 39.88,34.28 ; U3.14 42.81,37.21 39.88,34.28 ; v1(39.73,20.08) 39.73,34.13 39.88,34.28
  Bottom w0.2: v1(39.73,15.98) v1(39.73,20.08) ; v1(38.48,110.13) 37.88,109.53 37.88,104.18 39.76,102.31 v1(39.76,89.55) 38.48,88.27 38.48,76.13 v1(38.68,75.93) ; v1(35.88,33.08) 28.78,40.18 28.78,57.63 v1(35.78,64.63)
COL16: length 131.2
  Top w0.2: U3.7 23.91,40.01 20.71,36.81
  Top w0.4: v1(19.38,100.98) 18.93,101.43 18.93,110.23 20.71,112.01 MX16.2 ; MX88.2 20.71,15.91 v1(20.73,15.93) ; v1(20.71,32.4) 20.71,54.76 v1(19.38,56.08) ; v1(18.53,74.58) 20.71,72.41 MX53.2 20.71,68.26 v1(18.58,66.13)
  Bottom w0.4: v1(20.73,15.93) 19.53,17.13 19.53,31.22 v1(20.71,32.4) ; v1(18.53,74.58) 18.53,87.37 v1(20.71,89.55) 20.71,99.66 v1(19.38,100.98) ; v1(18.58,66.13) 18.58,56.88 v1(19.38,56.08)
COL17: length 148.8
  Top w0.2: U3.6 23.05,40.41 v1(22.93,40.53) ; MX89.2 1.66,14.46 2.33,15.13 v1(2.33,40.18)
  Top w0.4: MX17.2 1.66,112.21 4.08,109.78 4.08,105.53 2.83,104.28 2.83,92.43 1.66,91.26 MX36.2 1.66,88.31 4.23,85.73 4.23,75.28 1.66,72.71 MX54.2 1.66,69.41 4.38,66.68 4.38,44.13 2.33,42.08 v1(2.33,40.18)
  Bottom w0.2: v1(22.93,40.53) 2.68,40.53 v1(2.33,40.18)
Data+: length 36.4
  Top w0.25: v1(55.78,82.83) 55.8,82.85 U1.4 ; R5.1 50.58,55.46 v1(50.58,57.93)
  Bottom w0.25: v1(50.58,57.93) 55.78,63.13 v1(55.78,82.83)
Data-: length 36.8
  Top w0.25: U1.6 57.7,83.42 v1(57.98,83.13) ; R6.1 52.05,57.3 v1(52.68,57.93)
  Bottom w0.25: v1(57.98,83.13) 57.98,63.23 v1(52.68,57.93)
ROW0: length 470.9
  Top w0.2: U3.3 34.8,41.61 33.38,43.03 33.38,52.03 v1(33.03,52.38) ; 16.43,98.68 17.53,97.58 17.53,84.88 v1(20.33,82.08) ; v1(30.13,55.38) 27.78,57.73 v1(27.78,57.83) ; v1(27.43,70.98) 22.53,75.88 v1(22.53,76.48)
  Top w0.4: v1(62.09,92.93) 62.09,95.19 68.77,101.87 D14.1 78.3,101.87 81.78,98.38 D13.1 117.48,98.38 D12.1 136.48,98.13 ; 45.43,98.68 51.23,98.68 53.84,96.07 v1(53.84,93.14) ; 45.43,98.68 31.63,98.68 ; 45.43,98.68 49.33,102.58 D15.1 ; 271.63,96.78 285.38,96.78 ; 271.63,96.78 268.23,96.78 266.63,98.38 D5.1 264.43,98.08 263.83,98.08 263.78,98.13 242.23,98.13 ; 271.63,96.78 272.13,96.78 272.88,97.53 D4.1 ; 285.38,96.78 301.68,96.78 ; 285.38,96.78 286.38,96.78 D3.1 ; D6.1 244.04,99.69 242.48,98.13 242.23,98.13 ; 199.58,98.13 199.98,98.13 201.98,100.13 D8.1 ; 199.58,98.13 217.48,98.13 ; 199.58,98.13 178.93,98.13 ; D2.1 303.73,97.48 303.03,96.78 301.68,96.78 ; 31.63,98.68 16.43,98.68 D17.1 ; 31.63,98.68 32.08,98.68 34.23,100.83 D16.1 ; 301.68,96.78 322.63,96.78 326.23,100.38 D1.1 ; 161.03,98.13 178.93,98.13 ; 161.03,98.13 161.23,98.13 163.23,100.13 D10.1 ; 161.03,98.13 136.48,98.13 ; 178.93,98.13 180.13,98.13 182.73,100.73 D9.1 ; 242.23,98.13 217.48,98.13 ; 217.48,98.13 217.73,98.13 219.73,100.13 D7.1 ; 136.48,98.13 D11.1
  Bottom w0.2: v1(27.43,70.98) 27.43,69.33 26.48,68.38 25.23,68.38 23.38,66.53 23.38,63.43 27.78,59.03 v1(27.78,57.83) ; v1(22.53,76.48) 22.53,79.88 v1(20.33,82.08) ; v1(33.03,52.38) 33.03,52.48 v1(30.13,55.38)
  Bottom w0.4: v1(62.09,92.93) 54.05,92.93 v1(53.84,93.14)
